# KiCad board SofleKeyboard.kicad_pcb
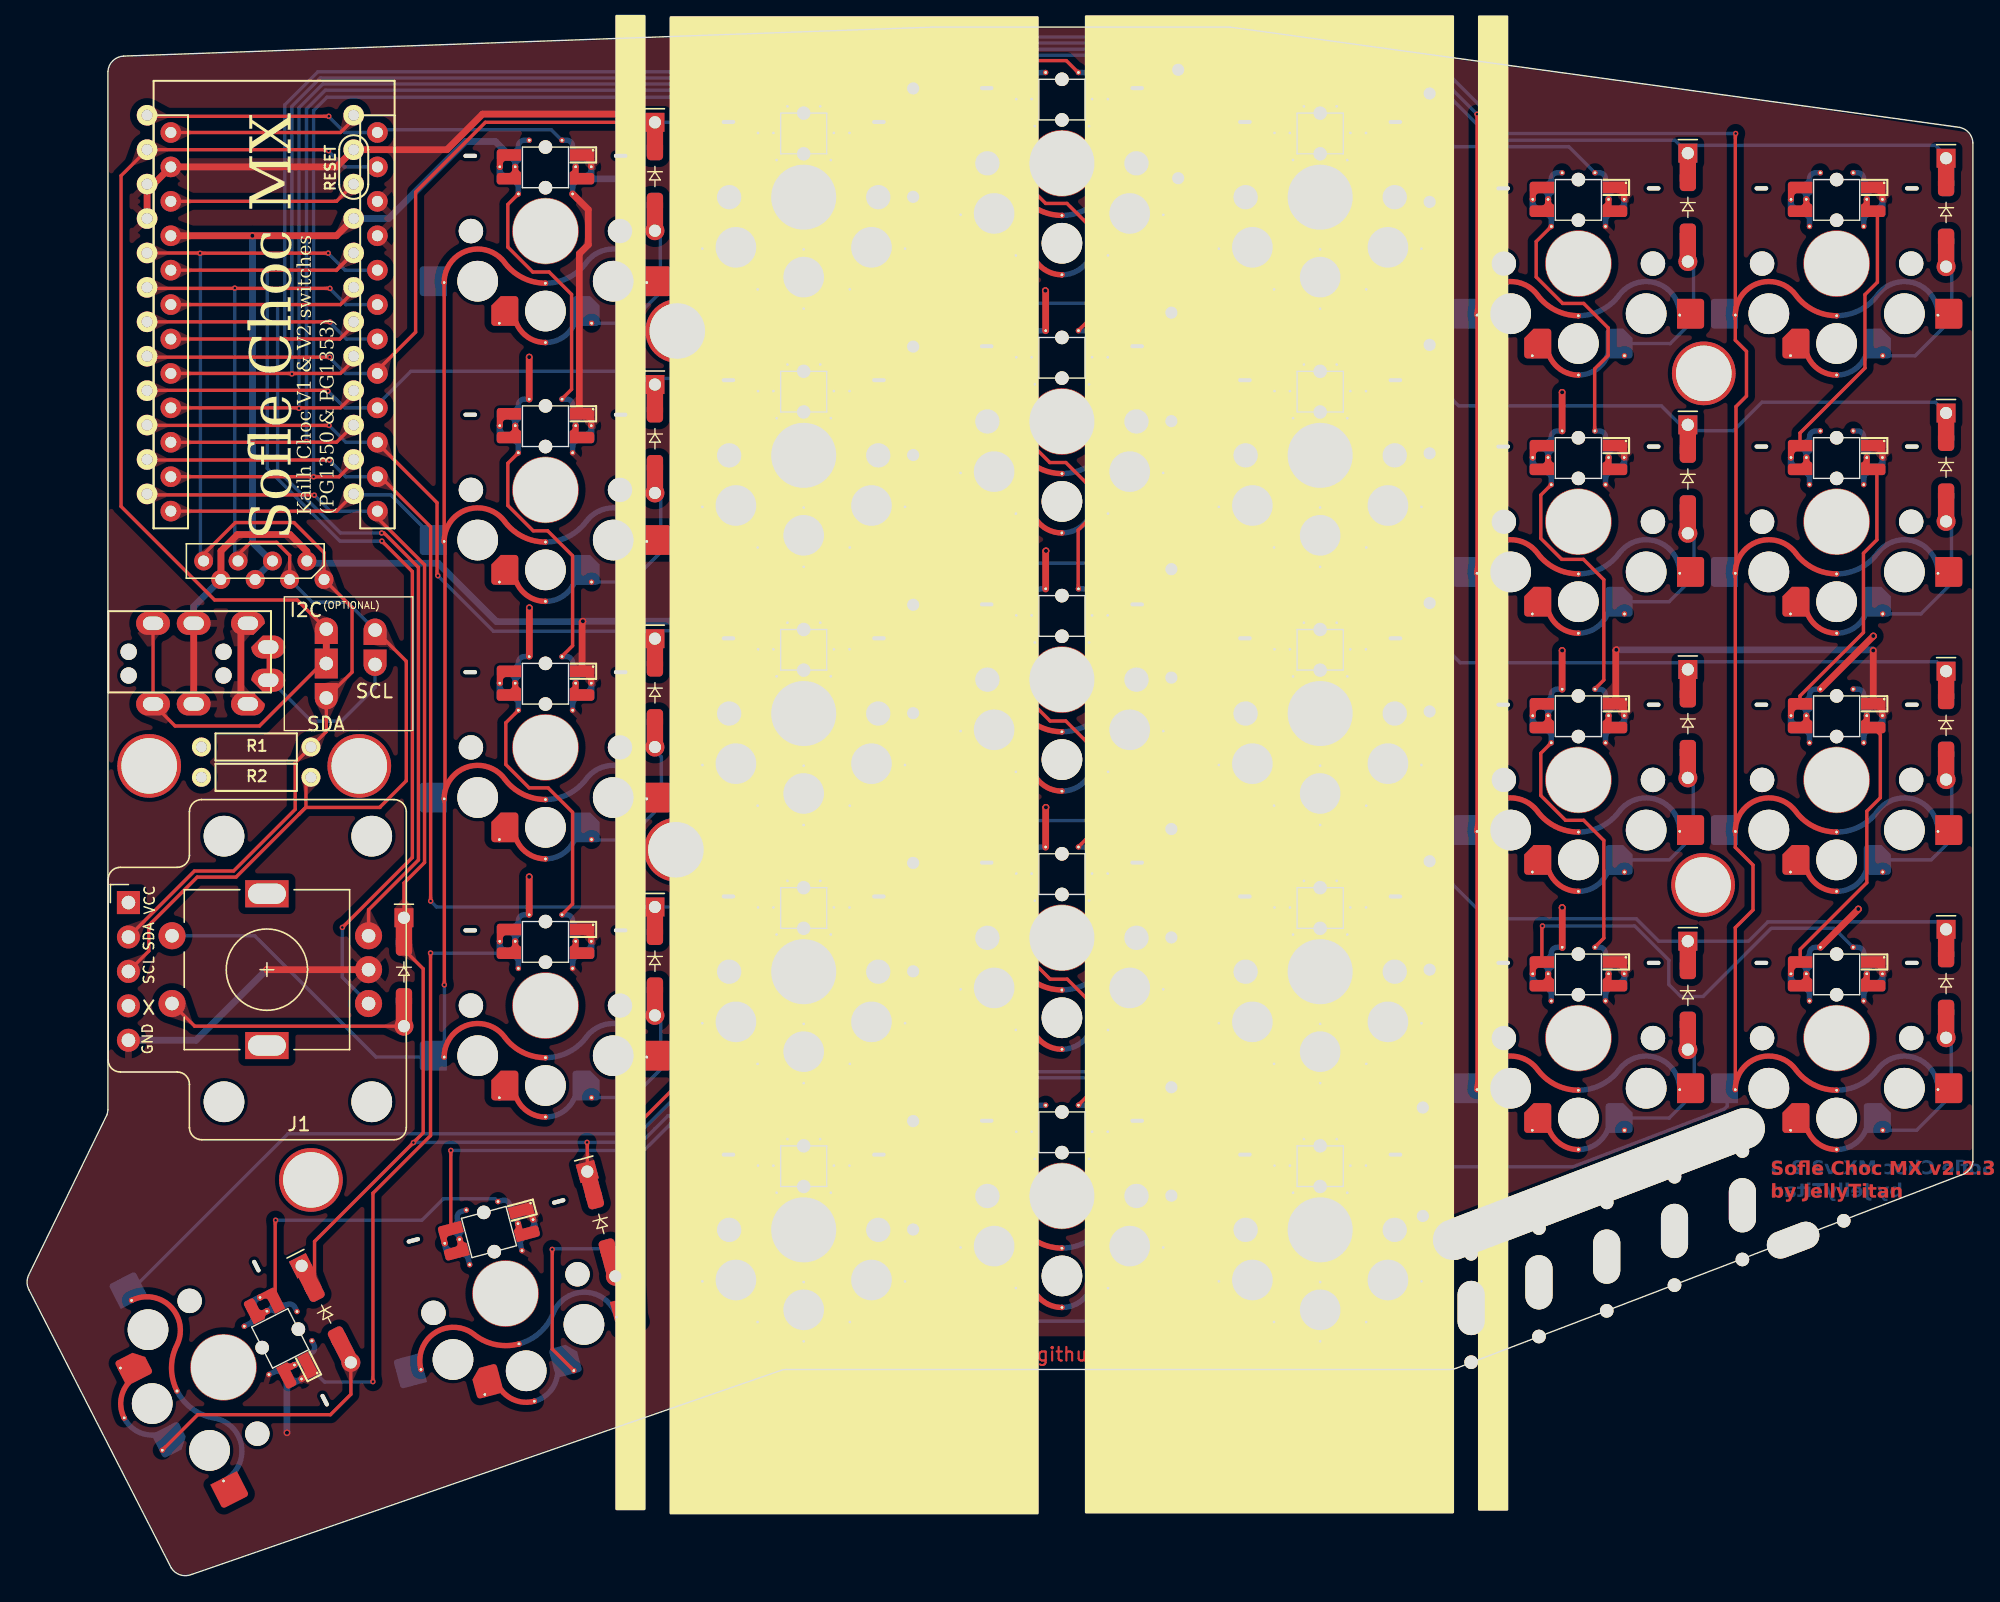
[diagram p0: board, top side]
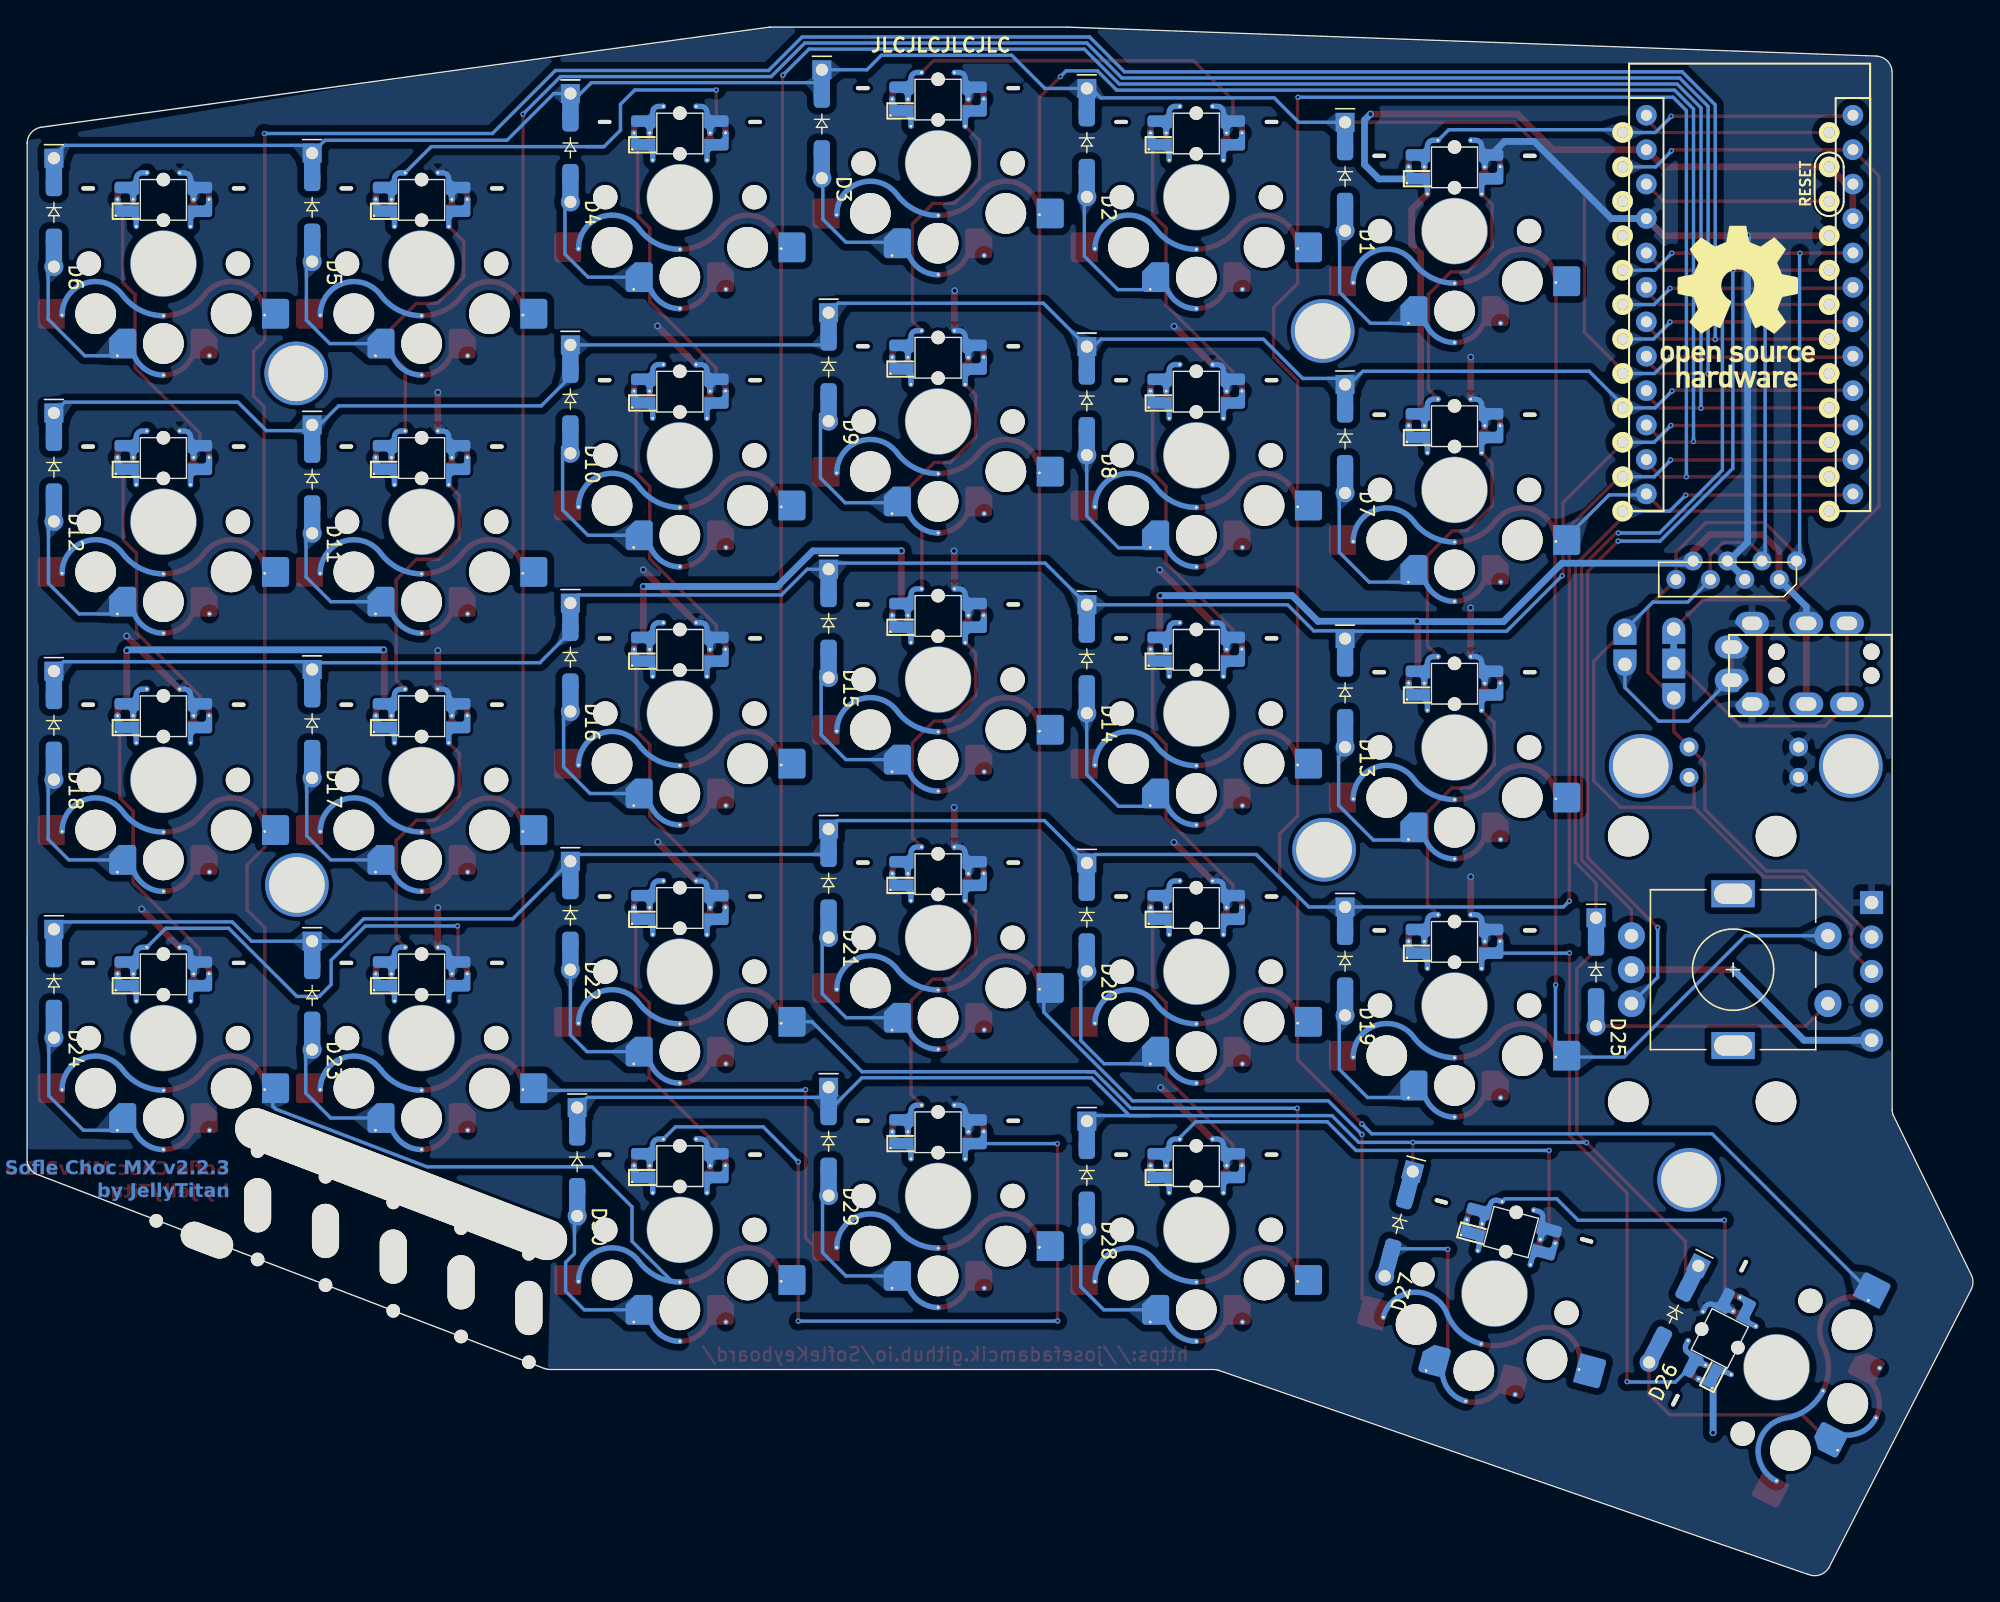
[diagram p1: board, bottom side, seen from below]

Outline 143.54 x 114.21 mm; copper layers: Top, Bottom. Coordinates in mm from the lower left corner of the outline.
Outline path: 0.1,22.1 5.89,33.96 arc(5.94,34.13) 5.96,34.31 5.96,110.92 arc(6.31,111.71) 7.11,112.07 66.79,114.21 88.74,114.21 142.57,106.81 arc(143.26,106.4) 143.54,105.66 143.54,30.48 arc(143.25,29.86) 142.67,29.51 105.4,15.24 arc(105.19,15.18) 104.97,15.16 56.01,15.16 arc(55.82,15.14) 55.64,15.1 12.15,0.04 arc(11.3,0) 10.63,0.52 0.16,21 arc(0,21.54) 0.1,22.1
Stack: Top 0.035mm / dielectric 1.51mm FR4 er 4.5 / Bottom 0.035mm

## Placement (name value [footprint] x y rotation side)
D1  D  [D_SOD-123_DO-35_Hybrid_DoubleSided]  46.32 103.19 270 bottom
D2  D  [D_SOD-123_DO-35_Hybrid_DoubleSided]  65.37 105.69 270 bottom
D3  D  [D_SOD-123_DO-35_Hybrid_DoubleSided]  84.92 107.06 270 bottom
D4  D  [D_SOD-123_DO-35_Hybrid_DoubleSided]  103.47 105.31 270 bottom
D5  D  [D_SOD-123_DO-35_Hybrid_DoubleSided]  122.52 100.91 270 bottom
D6  D  [D_SOD-123_DO-35_Hybrid_DoubleSided]  141.57 100.53 270 bottom
D7  D  [D_SOD-123_DO-35_Hybrid_DoubleSided]  46.32 83.83 270 bottom
D8  D  [D_SOD-123_DO-35_Hybrid_DoubleSided]  65.37 86.63 270 bottom
D9  D  [D_SOD-123_DO-35_Hybrid_DoubleSided]  84.42 89.13 270 bottom
D10  D  [D_SOD-123_DO-35_Hybrid_DoubleSided]  103.47 86.76 270 bottom
D11  D  [D_SOD-123_DO-35_Hybrid_DoubleSided]  122.52 80.86 270 bottom
D12  D  [D_SOD-123_DO-35_Hybrid_DoubleSided]  141.57 81.73 270 bottom
D13  D  [D_SOD-123_DO-35_Hybrid_DoubleSided]  46.32 65.08 270 bottom
D14  D  [D_SOD-123_DO-35_Hybrid_DoubleSided]  65.37 67.58 270 bottom
D15  D  [D_SOD-123_DO-35_Hybrid_DoubleSided]  84.42 70.21 270 bottom
D16  D  [D_SOD-123_DO-35_Hybrid_DoubleSided]  103.47 67.71 270 bottom
D17  D  [D_SOD-123_DO-35_Hybrid_DoubleSided]  122.52 62.81 270 bottom
D18  D  [D_SOD-123_DO-35_Hybrid_DoubleSided]  141.57 62.69 270 bottom
D19  D  [D_SOD-123_DO-35_Hybrid_DoubleSided]  46.32 45.28 270 bottom
D20  D  [D_SOD-123_DO-35_Hybrid_DoubleSided]  65.37 48.53 270 bottom
D21  D  [D_SOD-123_DO-35_Hybrid_DoubleSided]  84.42 51.03 270 bottom
D22  D  [D_SOD-123_DO-35_Hybrid_DoubleSided]  103.47 48.66 270 bottom
D23  D  [D_SOD-123_DO-35_Hybrid_DoubleSided]  122.52 42.76 270 bottom
D24  D  [D_SOD-123_DO-35_Hybrid_DoubleSided]  141.57 43.63 270 bottom
D25  D  [D_SOD-123_DO-35_Hybrid_DoubleSided]  27.8 44.49 270 bottom
D26  D  [D_SOD-123_DO-35_Hybrid_DoubleSided]  22.07 19.24 297 bottom
D27  D  [D_SOD-123_DO-35_Hybrid_DoubleSided]  42.36 25.9 285 bottom
D28  D  [D_SOD-123_DO-35_Hybrid_DoubleSided]  65.37 29.48 270 bottom
D29  D  [D_SOD-123_DO-35_Hybrid_DoubleSided]  84.42 31.98 270 bottom
D30  D  [D_SOD-123_DO-35_Hybrid_DoubleSided]  102.97 30.48 270 bottom
J1  Pimaroni Trackball  [pimoroni_trackball]  7.47 49.61 0 top
J2  4PIN  [MJ-4PP-9_Choc_MX]  5.92 67.24 90 top
J3  OLED  [OLED_4Pin_Choc_MX]  14.29 73.45 0 top
JP1  SCL  [PinHeader_1x02_P2.54mm_jumper]  25.67 67.18 180 top
JP2  SDA  [PinHeader_1x03_P2.54mm_jumper]  22.07 69.79 0 top
R1  4.7k  [R_I2C_bus]  16.9 61.09 0 top
R2  4.7k  [R_I2C_bus]  16.9 58.85 0 top
REF**  -  [DIODE Bender for 8mm SOFLE CHOC MX]  106.53 19.69 0 top
REF**#2  -  [OSHW-Logo_11.4x12mm_SilkScreen]  17.36 93.58 180 bottom
SW1  SW_PUSH_LED  [Choc_MX_Hotswap_SK6812MiniE]  38.24 99.16 180 top
SW2  SW_PUSH_LED  [Choc_MX_Hotswap_SK6812MiniE]  57.29 101.66 180 top
SW3  SW_PUSH_LED  [Choc_MX_Hotswap_SK6812MiniE]  76.34 104.16 180 top
SW4  SW_PUSH_LED  [Choc_MX_Hotswap_SK6812MiniE]  95.39 101.66 180 top
SW5  SW_PUSH_LED  [Choc_MX_Hotswap_SK6812MiniE]  114.44 96.76 180 top
SW6  SW_PUSH_LED  [Choc_MX_Hotswap_SK6812MiniE]  133.49 96.76 180 top
SW7  SW_PUSH_LED  [Choc_MX_Hotswap_SK6812MiniE]  38.24 80.06 180 top
SW8  SW_PUSH_LED  [Choc_MX_Hotswap_SK6812MiniE]  57.29 82.61 180 top
SW9  SW_PUSH_LED  [Choc_MX_Hotswap_SK6812MiniE]  76.34 85.11 180 top
SW10  SW_PUSH_LED  [Choc_MX_Hotswap_SK6812MiniE]  95.39 82.61 180 top
SW11  SW_PUSH_LED  [Choc_MX_Hotswap_SK6812MiniE]  114.44 77.71 180 top
SW12  SW_PUSH_LED  [Choc_MX_Hotswap_SK6812MiniE]  133.49 77.71 180 top
SW13  SW_PUSH_LED  [Choc_MX_Hotswap_SK6812MiniE]  38.24 61.06 180 top
SW14  SW_PUSH_LED  [Choc_MX_Hotswap_SK6812MiniE]  57.29 63.56 180 top
SW15  SW_PUSH_LED  [Choc_MX_Hotswap_SK6812MiniE]  76.34 66.06 180 top
SW16  SW_PUSH_LED  [Choc_MX_Hotswap_SK6812MiniE]  95.39 63.56 180 top
SW17  SW_PUSH_LED  [Choc_MX_Hotswap_SK6812MiniE]  114.44 58.66 180 top
SW18  SW_PUSH_LED  [Choc_MX_Hotswap_SK6812MiniE]  133.49 58.66 180 top
SW19  SW_PUSH_LED  [Choc_MX_Hotswap_SK6812MiniE]  38.24 42.01 180 top
SW20  SW_PUSH_LED  [Choc_MX_Hotswap_SK6812MiniE]  57.29 44.51 180 top
SW21  SW_PUSH_LED  [Choc_MX_Hotswap_SK6812MiniE]  76.34 47.01 180 top
SW22  SW_PUSH_LED  [Choc_MX_Hotswap_SK6812MiniE]  95.39 44.51 180 top
SW23  SW_PUSH_LED  [Choc_MX_Hotswap_SK6812MiniE]  114.44 39.61 180 top
SW24  SW_PUSH_LED  [Choc_MX_Hotswap_SK6812MiniE]  133.49 39.61 180 top
SW25  Rotary_Encoder_Switch  [RotaryEncoder_Alps_EC11E-Switch_Vertical_H20mm-keebio_modified]  17.69 44.66 180 top
SW26  SW_PUSH_LED  [Choc_MX_Hotswap_SK6812MiniE]  14.49 15.32 117 top
SW27  SW_PUSH_LED  [Choc_MX_Hotswap_SK6812MiniE#2]  35.29 20.76 195 top
SW28  SW_PUSH_LED  [Choc_MX_Hotswap_SK6812MiniE]  57.29 25.46 180 top
SW29  SW_PUSH_LED  [Choc_MX_Hotswap_SK6812MiniE]  76.34 27.96 180 top
SW30  SW_PUSH_LED  [Choc_MX_Hotswap_SK6812MiniE]  95.39 25.46 180 top
TH1  HOLE  [HOLE_M2_TH]  9.23 59.42 0 top
TH2  HOLE  [HOLE_M2_TH]  24.73 59.42 0 top
TH3  HOLE  [HOLE_M2_TH]  48.19 91.51 0 top
TH4  HOLE  [HOLE_M2_TH]  123.92 88.38 0 top
TH5  HOLE  [HOLE_M2_TH]  48.09 53.23 0 top
TH6  HOLE  [HOLE_M2_TH]  123.87 50.63 0 top
TH7  HOLE  [HOLE_M2_TH]  21.21 29.37 90 top
U1  -  [ProMicro_Choc_MX]  18.12 92.86 0 top

## Library data of the parts
J1 = -: Description: Generic connector, single row, 01x05, script generated
JP1 = -: Description: Jumper, 2-pole, open
JP2 = -: Description: 3-pole Solder Jumper, pins 1+2 closed/bridged; Field4: 1; Field5: 3

## Footprints (pads in the part's own frame, mm; a bottom-side part is the same pattern mirrored in y, then rotated)
Choc_MX_Hotswap_SK6812MiniE
  oval 1x0.3 hole 1x0.3 unplated: (-5.55,-5.55) (5.55,-5.55)
  round 1.8 hole 1.8 unplated: (-5.5,0) (5.5,0)
  round 3 hole 3 unplated: (-5,3.7) (0,5.9) (5,3.7)
  rrect 1.49x0.84 smd: (-2.855,-3.86) (-2.855,-5.62)
  rrect 1.82x0.84 smd: (-2.69,-5.61) (2.69,-3.865)
  rrect 1.83x0.85 smd: (-2.685,-3.865) (2.685,-5.625)
  rect 1.38x0.84 smd: (-2.47,-3.86) (-2.47,-5.62)
  round 4.9 hole 4.8 unplated: (0,0)
  round 1 hole 1 unplated: (0,-3.2) (0,-6.2)
  rrect 1.82x0.85 smd: (2.69,-3.865) (2.69,-5.615)
  round 0.4 hole 0.2: 1(1.2,-6.7) 2(2,-2.74) 3(-2,-2.74) 4(-1.22,-6.7) 5(-3.4,6.8) 5(0,8.225) 5(3.4,6.8) 6(-7.475,3.8) 6(0,3.85) 6(7.475,3.8)
  round 0.45 hole 0.2: 1(2.234,-4.739) 2(3.368,-4.74) 3(-3.38,-4.74) 4(-2.225,-4.74)
  custom 1.8x1.524 smd: 1(2.7,-3.865)
  custom 2.58x2.385 smd far side: 1(2.7,-5.615) 4(-2.7,-5.615)
  custom 1.8x1.525 smd: 2(2.693,-5.615)
  custom 1.805x2.425 smd far side: 2(2.7,-3.865)
  custom 1.8x1.965 smd far side: 3(-2.71,-3.87)
  custom 1.81x1.362 smd: 3(-2.705,-5.615)
  rect 0.4x0.8 smd far side: 3(-2,-3.14)
  custom 1.81x1.525 smd: 4(-2.7,-3.865)
  rrect 2x2.2 smd far side: 5(-3,5.9) 6(8.275,3.7)
  custom 2.556x1.855 smd: 5(0,8.225)
  custom 2.556x1.855 smd far side: 5(0,8.225)
  rrect 2x2.2 smd: 5(3,5.9) 6(-8.275,3.7)
  custom 7.875x2.92 smd far side: 6(-7.475,3.8)
  custom 7.875x2.92 smd: 6(7.475,3.8)
Choc_MX_Hotswap_SK6812MiniE#2
  oval 1x0.3 hole 1x0.3 unplated: (-5.55,-5.55) (5.55,-5.55)
  round 1.8 hole 1.8 unplated: (-5.5,0) (5.5,0)
  round 3 hole 3 unplated: (-5,3.7) (0,5.9) (5,3.7)
  rrect 1.49x0.84 smd: (-2.855,-3.86) (-2.855,-5.62)
  rrect 1.82x0.84 smd: (-2.69,-5.61) (2.69,-3.865)
  rrect 1.83x0.85 smd: (-2.685,-3.865) (2.685,-5.625)
  rect 1.38x0.84 smd: (-2.47,-3.86) (-2.47,-5.62)
  round 4.9 hole 4.8 unplated: (0,0)
  round 1 hole 1 unplated: (0,-3.2) (0,-6.2)
  rrect 1.82x0.85 smd: (2.69,-3.865) (2.69,-5.615)
  round 0.4 hole 0.2: 1(1.2,-6.7) 2(2,-2.74) 3(-2,-2.74) 4(-1.22,-6.7) 5(-3.4,6.8) 5(0,8.225) 5(3.4,6.8) 6(-7.475,3.8) 6(0,3.85) 6(7.475,3.8)
  round 0.45 hole 0.2: 1(2.234,-4.739) 2(3.368,-4.74) 3(-3.38,-4.74) 4(-2.225,-4.74)
  custom 1.8x1.524 smd: 1(2.7,-3.865)
  custom 2.58x2.385 smd far side: 1(2.7,-5.615) 4(-2.7,-5.615)
  custom 1.8x1.525 smd: 2(2.693,-5.615)
  custom 1.805x2.425 smd far side: 2(2.7,-3.865)
  custom 1.8x1.965 smd far side: 3(-2.71,-3.87)
  custom 1.81x1.362 smd: 3(-2.705,-5.615)
  rect 0.4x0.8 smd far side: 3(-2,-3.14)
  custom 1.81x1.525 smd: 4(-2.7,-3.865)
  rrect 2x2.2 smd far side: 5(-3,5.9) 6(8.275,3.7)
  custom 2.556x1.855 smd: 5(0,8.225)
  custom 2.556x1.855 smd far side: 5(0,8.225)
  rrect 2x2.2 smd: 5(3,5.9) 6(-8.275,3.7)
  custom 7.875x2.92 smd far side: 6(-7.475,3.8)
  custom 7.875x2.92 smd: 6(7.475,3.8)
D_SOD-123_DO-35_Hybrid_DoubleSided
  rect 1.4x1.4 hole 0.9: 1(-4,0)
  rect 1.6x1.2 smd far side: 1(-2.75,0)
  rect 1.6x1.2 smd: 1(-2.7,0)
  rrect 1.5x1.2 smd: 1(-1.95,0)
  rrect 1.4x1.2 smd far side: 1(-1.9,0) 2(1.9,0)
  rrect 1.4x1.2 smd: 2(1.9,0)
  rect 2.12x1.2 smd: 2(2.96,0)
  rect 2.14x1.2 smd far side: 2(2.97,0)
  round 1.4 hole 0.9: 2(4,0)
DIODE Bender for 8mm SOFLE CHOC MX
  round 1 hole 1 unplated: (0,4) (0,-4) (5,5.895) (5,-2.105) (10,7.79) (10,-0.21) (15,9.685) (15,1.685) (20.01,11.58) (20.01,3.58) (27.484,6.434)
  oval 2x4 hole 2x4 unplated: (0,0) (5,1.895) (10,3.79) (15,5.685) (20.01,7.58)
  oval 26x3 hole 26x3 unplated rot 20.9: (9.42,9.14)
  oval 4x2 hole 4x2 unplated rot 20.9: (23.747,5.007)
HOLE_M2_TH
  round 4.7 hole 4.1: (-0.225,0.275)
MJ-4PP-9_Choc_MX
  round 1.2 hole 1.2 unplated: (-0.875,-1.57) (-0.875,-8.57) (0.875,-1.57) (0.875,-8.57)
  rrect 1.7x2.5 hole 1x1.5: 1(-2.975,-10.37) 1(2.975,-10.37) 4(-1.225,-11.87) 4(1.225,-11.87)
  oval 1.7x2.5 hole 1x1.5: 2(-2.975,-6.37) 2(2.975,-6.37) 3(-2.975,-3.37) 3(2.975,-3.37)
OLED_4Pin_Choc_MX
  round 1.397 hole 0.813: 1(0,0) 1(6.355,1.365) 2(2.54,0) 2(3.815,1.365) 3(1.275,1.365) 3(5.08,0) 4(-1.265,1.365) 4(7.62,0)
pimoroni_trackball
  round 3 hole 3 unplated: (7.05,4.9) (7.05,-14.7) (17.95,4.9) (17.95,-14.7)
  rect 1.7x1.7 hole 1: 1(0,0)
  oval 1.7x1.7 hole 1: 2(0,-2.54) 3(0,-5.08) 4(0,-7.62) 5(0,-10.16)
PinHeader_1x02_P2.54mm_jumper
  rrect 1.7x1.95 hole 1: 1(0,0) 2(0,-2.54)
PinHeader_1x03_P2.54mm_jumper
  rrect 1.7x1.95 hole 1: 1(0,0) 3(0,-5.08)
  custom 1.7x2.76 hole 1: 2(0,-2.54)
ProMicro_Choc_MX
  round 1.524 hole 0.813: 1(-9.271,14.844) 1(7.719,13.574) 2(-9.271,12.304) 2(7.719,11.034) 3(-9.271,9.764) 3(7.719,8.494) 4(-9.271,7.224) 4(7.719,5.954) 5(-9.271,4.684) 5(7.719,3.414) 6(-9.271,2.144) 6(7.719,0.874) 7(-9.271,-0.396) 7(7.719,-1.666) 8(-9.271,-2.936) 8(7.719,-4.206) 9(-9.271,-5.476) 9(7.719,-6.746) 10(-9.271,-8.016) 10(7.719,-9.286) 11(-9.271,-10.556) 11(7.719,-11.826) 12(-9.271,-13.096) 12(7.719,-14.366) 13(-7.521,-14.366) 13(5.969,-13.096) 14(-7.521,-11.826) 14(5.969,-10.556) 15(-7.521,-9.286) 15(5.969,-8.016) 16(-7.521,-6.746) 16(5.969,-5.476) 17(-7.521,-4.206) 17(5.969,-2.936) 18(-7.521,-1.666) 18(5.969,-0.396) 19(-7.521,0.874) 19(5.969,2.144) 20(-7.521,3.414) 20(5.969,4.684) 21(-7.521,5.954) 21(5.969,7.224) 22(-7.521,8.494) 22(5.969,9.764) 23(-7.521,11.034) 23(5.969,12.304) 24(-7.521,13.574) 24(5.969,14.844)
R_I2C_bus
  round 1.397 hole 0.813: 1(-4.04,0) 2(4.04,0)
RotaryEncoder_Alps_EC11E-Switch_Vertical_H20mm-keebio_modified
  round 2 hole 1: A(-7.5,2.5) B(-7.5,-2.5) C(-7.5,0) S1(7,-2.5) S2(7,2.5)
  rect 3.2x2 hole 2.8x1.5: MP(0,5.6) MP(0,-5.6)

## Nets
GND: J1.5 J2.2 J3.1 SW1.3 SW2.3 SW3.3 SW4.3 SW5.3 SW6.3 SW7.3 SW8.3 SW9.3 SW10.3 SW11.3 SW12.3 SW13.3 SW14.3 SW15.3 SW16.3 SW17.3 SW18.3 SW19.3 SW20.3 SW21.3 SW22.3 SW23.3 SW24.3 SW25.C SW26.3 SW27.3 SW28.3 SW29.3 SW30.3 U1.3 U1.4 U1.23
VCC: J1.1 J2.1 J3.2 R1.1 R2.1 SW1.1 SW2.1 SW3.1 SW4.1 SW5.1 SW6.1 SW7.1 SW8.1 SW9.1 SW10.1 SW11.1 SW12.1 SW13.1 SW14.1 SW15.1 SW16.1 SW17.1 SW18.1 SW19.1 SW20.1 SW21.1 SW22.1 SW23.1 SW24.1 SW26.1 SW27.1 SW28.1 SW29.1 SW30.1 U1.21
col0: SW6.6 SW12.6 SW18.6 SW24.6 SW30.6 U1.18
col1: SW5.6 SW11.6 SW17.6 SW23.6 SW29.6 U1.17
col2: SW4.6 SW10.6 SW16.6 SW22.6 SW28.6 U1.16
col3: SW3.6 SW9.6 SW15.6 SW21.6 SW27.6 U1.15
col4: SW2.6 SW8.6 SW14.6 SW20.6 SW26.6 U1.14
DATA: JP2.1 U1.2
ENCA: SW25.A U1.20
ENCB: SW25.B U1.19
LED: SW1.4 U1.1
row0: D1.1 D2.1 D3.1 D4.1 D5.1 D6.1 U1.8
row1: D7.1 D8.1 D9.1 D10.1 D11.1 D12.1 U1.9
row2: D13.1 D14.1 D15.1 D16.1 D17.1 D18.1 U1.10
row3: D19.1 D20.1 D21.1 D22.1 D23.1 D24.1 U1.11
row4: D25.1 D26.1 D27.1 D28.1 D29.1 D30.1 U1.12
SCL: J1.3 J3.3 JP1.2 R2.2 U1.6
SDA: J1.2 J3.4 JP2.3 R1.2 U1.5
SW25A: SW1.6 SW7.6 SW13.6 SW19.6 SW25.S1 U1.13
SW25B: D25.2 SW25.S2
Net-(D1-A): D1.2 SW1.5
Net-(D2-A): D2.2 SW2.5
Net-(D3-A): D3.2 SW3.5
Net-(D4-A): D4.2 SW4.5
Net-(D5-A): D5.2 SW5.5
Net-(D6-A): D6.2 SW6.5
Net-(D7-A): D7.2 SW7.5
Net-(D8-A): D8.2 SW8.5
Net-(D9-A): D9.2 SW9.5
Net-(D10-A): D10.2 SW10.5
Net-(D11-A): D11.2 SW11.5
Net-(D12-A): D12.2 SW12.5
Net-(D13-A): D13.2 SW13.5
Net-(D14-A): D14.2 SW14.5
Net-(D15-A): D15.2 SW15.5
Net-(D16-A): D16.2 SW16.5
Net-(D17-A): D17.2 SW17.5
Net-(D18-A): D18.2 SW18.5
Net-(D19-A): D19.2 SW19.5
Net-(D20-A): D20.2 SW20.5
Net-(D21-A): D21.2 SW21.5
Net-(D22-A): D22.2 SW22.5
Net-(D23-A): D23.2 SW23.5
Net-(D24-A): D24.2 SW24.5
Net-(D26-A): D26.2 SW26.5
Net-(D27-A): D27.2 SW27.5
Net-(D28-A): D28.2 SW28.5
Net-(D29-A): D29.2 SW29.5
Net-(D30-A): D30.2 SW30.5
Net-(JP1-A): J2.4 JP1.1
Net-(JP2-C): J2.3 JP2.2
Net-(SW1B-DOUT): SW1.2 SW7.4
Net-(SW2B-DIN): SW2.4 SW8.2
Net-(SW2B-DOUT): SW2.2 SW3.4
Net-(SW3B-DOUT): SW3.2 SW9.4
Net-(SW4B-DOUT): SW4.2 SW5.4
Net-(SW10B-DIN): SW10.4 SW16.2
Net-(SW10B-DOUT): SW4.4 SW10.2
Net-(SW11B-DIN): SW5.2 SW11.4
Net-(SW11B-DOUT): SW11.2 SW17.4
Net-(SW12B-DIN): SW12.4 SW18.2
Net-(SW12B-DOUT): SW6.4 SW12.2
Net-(SW13B-DIN): SW7.2 SW13.4
Net-(SW13B-DOUT): SW13.2 SW19.4
Net-(SW14B-DIN): SW14.4 SW20.2
Net-(SW14B-DOUT): SW8.4 SW14.2
Net-(SW15B-DIN): SW9.2 SW15.4
Net-(SW15B-DOUT): SW15.2 SW21.4
Net-(SW16B-DIN): SW16.4 SW22.2
Net-(SW17B-DOUT): SW17.2 SW23.4
Net-(SW18B-DIN): SW18.4 SW24.2
Net-(SW19B-DOUT): SW19.2 SW26.4
Net-(SW20B-DIN): SW20.4 SW28.2
Net-(SW21B-DOUT): SW21.2 SW29.4
Net-(SW22B-DIN): SW22.4 SW30.2
Net-(SW23B-DOUT): SW23.2 SW24.4
Net-(SW26B-DOUT): SW26.2 SW27.4
Net-(SW27B-DOUT): SW27.2 SW28.4
Net-(SW29B-DOUT): SW29.2 SW30.4

Pads without a net: J1 4; SW6 2; SW25 MP; U1 7 22 24

## Via types
v1: diameter 0.4, hole 0.2, Top to Bottom, 47 vias
v2: diameter 0.5, hole 0.3, Top to Bottom, 28 vias

## Routing (per net, layer and track width the routed paths; a pad name or vN(x,y) marks a point on that pad's centre or on a via; arc(x,y) is an arc through that point)
GND: length 213
  Top w0.5: 117.2,64.27 117.2,68.22 v2(117.24,68.26) ; J3.1 14.3,73.47 14.3,75.55 15.52,76.76 19.4,76.76 20.64,75.52 J3.1 ; SW13.3 40.95,70.31 v2(41,70.37) ; SW25.C 17.69,44.66 v2(17.68,44.67) ; v2(59.96,72.26) 60,72.22 SW14.3 ; SW16.3 98.09,69.18 v2(98.09,72.94) ; SW15.3 79.05,75.55 v2(79.04,75.56) ; 9.33,102.62 U1.23 22.82,103.89 U1.23 30.97,105.16 33.6,107.79 v2(44.44,107.79) ; 136.28,83.41 136.19,83.33 ; SW1.3 41.4,100.74 41.4,98.15 40.74,97.49 40.74,85.88 40.94,85.67 ; 136.19,64.27 v2(136.19,68.21) ; 12.29,70.22 J2.2 ; U1.4 U1.3
  Bottom w0.5: v2(59.96,72.26) 50.21,72.26 48.32,70.37 v2(41,70.37) 40.97,70.34 34.63,70.34 30.32,74.65 20.81,74.65 J3.1 ; J1.5 12.46,39.45 v2(17.68,44.67) ; v2(79.04,75.56) 85.57,75.56 88.19,72.94 v2(98.09,72.94) ; v2(117.24,68.26) 136.14,68.26 v2(136.19,68.21) ; v2(19.17,10.49) 19.16,10.5 SW26.3 ; 12.29,70.22 12.29,71.45 J3.1 ; 40.94,103.03 40.96,103.01 43.82,103.01 44.88,104.07 44.88,107.35 v2(44.44,107.79)
VCC: length 133.4
  Top w0.5: SW8.1 56.1,89.31 v2(58.93,92.14) ; SW24.1 135.09,49.11 v2(135.09,49.13) ; 15.99,70.21 15.52,69.74 ; v2(75.16,56.63) 75.14,56.61 75.14,53.7 ; SW7.1 v2(37.04,89.86) ; 37.04,48.75 v2(37.04,51.51) ; SW10.1 v2(97.04,92.16) ; 15.52,64.73 15.99,64.26 ; v2(59.92,35.97) 59.9,35.97 SW28.1 ; SW22.1 97.02,54.03 v2(97.02,54.08) ; SW20.1 v2(58.94,54.06) ; 10.37,98.81 v2(16.62,98.81) 22.82,98.81 U1.21 ; SW9.1 75.14,94.73 v2(75.12,94.76) ; SW18.1 136.2,69.27 v2(136.2,69.28) ; v2(75.17,75.56) 75.14,75.53 75.14,72.75 ; 16.29,70.22 15.77,69.69 15.77,64.78 J2.1 ; SW14.1 v2(59.99,74.16) ; SW11.1 v2(113.24,87.26) ; 113.24,65.35 v2(113.24,68.21) ; SW16.1 v2(98.1,74.16) ; v2(113.24,49.23) 113.25,49.22 113.25,46.29 ; 37.05,67.8 v2(37.05,71.36)
  Bottom w0.5: 17.87,74.49 17.87,74.95 16.62,76.19 v2(16.62,98.81) ; J3.2 16.83,73.54 J3.2 16.83,73.91 ; SW1.1 34.55,105.77 32.35,105.77 26.66,100.08 U1.21 ; 15.6,69.82 15.99,70.21 ; 15.99,64.26 15.6,64.65
col0: length 253.7
  Top w0.25: 24.36,92.49 23.06,91.19 23.06,91.19 19.13,91.19 ; v1(19.01,91.16) 19.04,91.19 19.13,91.19 ; 19.13,91.19 10.37,91.19 ; 126.02,35.91 126.02,47.76 127.32,49.06 127.32,52.38 126.02,53.69 126.02,73.91 126.07,73.96 126.07,86.21 126.84,86.98 126.84,90.28 126.02,91.11 126.02,106.33 v1(126.04,106.36)
  Bottom w0.25: 95.67,21.61 SW30.6 95.92,21.61 98.92,24.61 98.92,27.16 101.87,30.11 114.03,30.11 125.21,34.38 125.42,34.58 125.42,35.86 ; v1(19.01,91.16) 19.01,108.47 21.44,110.91 62.59,110.91 65.16,113.48 86.36,113.48 88.84,111.01 104.57,111.01 109.22,106.36 v1(126.04,106.36)
col1: length 230.7
  Top w0.25: 19.64,88.65 19.57,88.65 v1(19.53,88.62) ; 19.64,88.65 23.11,88.65 24.31,89.85 ; 19.64,88.65 10.37,88.65 ; SW23.6 SW17.6 SW11.6 SW5.6 v1(106.97,107.78) ; v1(86.12,35.81) 86.12,24.86 85.52,24.26 SW29.6
  Bottom w0.25: v1(19.53,88.62) 19.53,108.36 21.63,110.46 62.79,110.46 65.36,113.03 86.18,113.03 88.65,110.56 104.19,110.56 v1(106.97,107.78) ; v1(86.12,35.81) 86.17,35.75 106.01,35.75 SW23.6
col2: length 230.4
  Top w0.25: v1(20.06,86.08) 20.09,86.11 20.2,86.11 ; 24.31,87.31 23.11,86.11 20.2,86.11 ; SW28.6 49.82,34.27 ; 49.82,34.27 49.82,34.27 ; 49.82,34.27 49.85,34.3 v1(49.85,34.43) ; 20.2,86.11 10.37,86.11 ; SW22.6 SW16.6 SW10.6 SW4.6 87.82,97.96 87.82,110.63 v1(87.79,110.66)
  Bottom w0.25: v1(20.06,86.08) 20.06,108.25 21.82,110.01 62.98,110.01 65.55,112.58 85.87,112.58 v1(87.79,110.66) ; v1(49.85,34.43) 62.11,34.43 64.81,37.13 65.32,37.13 ; 65.32,37.13 81.95,37.13 85.63,40.81 87.32,40.81 ; 65.32,37.13 64.94,37.13
col3: length 196.9
  Top w0.25: SW21.6 SW15.6 SW9.6 SW3.6 68.87,109.01 v1(67.32,110.56) ; 43.88,19.23 45.06,20.42 v1(45.06,32.49) ; 10.37,83.57 20.55,83.57 v1(20.61,83.63) 20.66,83.58 22.83,83.58 U1.15
  Bottom w0.25: 68.54,42.54 68.54,41.52 62,34.98 47.55,34.98 v1(45.06,32.49) ; v1(67.32,110.56) 66.89,110.98 64.59,110.98 63.16,109.56 22,109.56 20.61,108.17 v1(20.61,83.63)
col4: length 193.2
  Top w0.25: 49.82,40.81 49.82,50.11 51.14,51.44 51.14,54.69 49.82,56.01 49.82,88.1 51.59,89.87 51.59,93.52 49.82,95.3 SW2.6 49.82,109.01 v1(49.79,109.03) ; 24.26,82.28 23.01,81.03 v1(21.13,81.03) 21.13,81.03 U1.14 ; SW20.6 49.82,38.02 v1(45.08,33.28)
  Bottom w0.25: v1(21.13,81.03) 21.13,108.05 22.12,109.03 v1(49.79,109.03) ; 7.52,20.83 19.24,32.55 44.35,32.55 v1(45.08,33.28)
DATA: length 63.3
  Top w0.25: JP2.1 19.92,71.94 13.83,71.94 6.93,78.84 6.93,103.24 U1.2 22.16,105.16 v1(22.24,105.09)
  Bottom w0.25: 25.61,103.89 23.4,103.89 22.2,105.09
ENCA: length 79.3
  Top w0.25: 10.37,96.27 22.82,96.27 U1.20 ; v1(23.26,47.77) 28.42,52.94 28.42,74.03 v1(26.17,76.28) ; 24.02,97.47 22.8,96.25
  Bottom w0.25: v1(17.71,96.27) 17.71,81.65 23.08,76.28 v1(26.17,76.28) ; v1(23.26,47.77) 23.26,44.09 SW25.A
ENCB: length 68.7
  Top w0.25: 10.37,93.73 23.11,93.73 24.31,94.93 ; SW25.B 25.19,49.07 28.87,52.75 28.87,74.34 26.33,76.88 v1(26.16,76.88)
  Bottom w0.25: v1(26.16,76.88) 23.11,76.88 18.48,81.52 v1(18.48,93.73)
LED: length 30.8
  Top w0.25: 9.07,107.63 22.22,107.63
  Bottom w0.25: 25.96,106.64 38.66,106.64 39.44,105.86 ; 25.61,106.43 23.42,106.43 22.22,107.63
  vias: v1(22.26,107.63)
row0: length 152.9
  Top w0.25: D1.1 33.81,107.19 28.66,102.04 28.66,91.71 25.61,88.65 ; 9.07,89.85 22.28,89.85
  Bottom w0.25: 25.66,88.65 23.48,88.65 22.28,89.85 ; 103.47,108.56 101.92,110.11 85.22,110.11 D3.1 84.92,108.71 ; D1.1 49.74,107.19 51.54,108.99 64.34,108.99 65.2,109.85 ; D4.1 104.69,109.31 108.14,105.86 121.57,105.86 121.94,105.48 140.78,105.48 141.52,104.74 ; D3.1 81.59,111.06 80.52,112.13 70.91,112.13 68.46,109.69 D2.1
  vias: v1(22.32,89.85)
row1: length 139.8
  Top w0.25: v1(22.2,87.35) 22.14,87.41 9.12,87.41
  Bottom w0.25: v1(22.2,87.35) 23.44,86.11 25.66,86.11 ; 103.47,88.41 105.62,86.26 120.57,86.26 122.39,84.44 125.89,84.44 127.99,86.53 140.77,86.53 D12.1 ; 84.42,90.78 84.44,90.76 D10.1 ; 65.12,90.39 64.33,91.19 52.34,91.19 49.44,88.28 46.77,88.28 ; 46.15,87.67 45.01,88.81 28.3,88.81 25.61,86.11 ; D8.1 68.57,93.83 83.72,93.83 D9.1
row2: length 147
  Top w0.25: v1(30.3,73.73) 30.24,73.79 30.24,79.12 25.78,83.57 ; 9.12,84.82 22.27,84.82
  Bottom w0.25: v1(30.3,73.73) 34.4,69.63 45.77,69.63 D13.1 46.89,69.66 48.63,69.66 50.56,71.58 D14.1 68.44,74.66 83.97,74.66 D15.1 85.99,74.21 87.89,72.31 102.87,72.31 D16.1 ; 22.27,84.82 23.52,83.57 25.61,83.57 ; 103.47,69.36 103.67,69.36 105.72,67.31 122.02,67.31 D17.1 123.09,67.38 140.87,67.38 D18.1
  vias: v1(22.28,84.82)
row3: length 170.3
  Top w0.25: 26.07,81.03 29.77,77.33 v1(29.77,49.72) ; 9.11,82.27 22.27,82.27
  Bottom w0.25: v1(29.77,49.72) 30.21,49.28 D19.1 48.99,49.28 52.87,53.16 64.74,53.16 D20.1 68.49,55.66 83.79,55.66 D21.1 D21.1 85.04,53.16 102.97,53.16 D22.1 107.72,48.41 118.72,48.41 120.37,46.76 D23.1 126.99,46.76 128.42,48.19 141.02,48.19 D24.1 ; 22.27,82.27 23.51,81.03 25.66,81.03
  vias: v1(22.3,82.27)
row4: length 161.9
  Top w0.25: D25.1 27.8,51.05 29.32,52.57 29.32,74.53 25.95,77.9 25.84,77.9 ; v1(21.19,79.67) 21.17,79.69 9.07,79.69 ; D27.1 41.33,31.9 v1(41.31,31.92) ; D26.1 21.21,24.6 v1(28.5,31.9) 29.22,32.62 29.22,44.72 27.8,46.14
  Bottom w0.25: 60.68,33.89 62.21,33.89 65,36.68 81.96,36.68 83.91,34.73 D29.1 84.92,35.23 102.22,35.23 D30.1 ; 64.96,33.89 47.29,33.89 45.31,31.92 28.52,31.92 v1(28.5,31.9) ; v1(21.19,79.67) 22.37,78.49 25.61,78.49
SCL: length 94.3
  Top w0.25: 20.07,56.14 20.57,56.64 20.57,58.48 R2.2 ; 20.07,56.14 15.42,51.49 12.55,51.49 8.98,47.92 8.98,46.04 J1.3 ; 20.07,56.14 20.56,56.63 26.02,56.63 26.02,56.64 27.97,58.59 27.97,67.42 JP1.2 ; 15.33,74.95 15.33,75.02 16.49,76.19 18.41,76.19 19.37,75.23 19.37,73.91 19.14,73.67 ; 9.07,94.93 22.32,94.93
  Bottom w0.25: U1.6 23.52,93.73 22.32,94.93 ; 15.33,74.95 15.33,94.94 v1(15.32,94.95) ; J3.3 21.04,71.78 23.61,71.78 JP1.2
  vias: v1(22.34,94.93)
SDA: length 89.2
  Top w0.25: U1.5 12.68,97.54 12.76,97.46 12.77,97.47 ; 12.79,74.81 12.79,75.08 15.36,77.65 19.69,77.65 21.91,75.44 J3.4 23.97,71.38 23.97,66.61 JP2.3 22.07,62.22 R1.2 19.78,59.93 19.78,56.49 15.23,51.94 12.34,51.94 J1.2 ; 22.2,97.53 12.77,97.53
  Bottom w0.25: U1.5 23.46,96.27 22.2,97.53 ; 12.79,74.95 12.79,97.5 v1(12.76,97.52)
  vias: v1(22.22,97.53)
SW25A: length 102.7
  Top w0.25: SW13.6 30.83,57.33 30.83,76.19 SW7.6 SW1.6 ; U1.13 22.82,78.49 U1.13 ; v1(30.78,43.54) 30.78,57.24
  Bottom w0.25: SW25.S1 16.79,47.16 25.74,38.21 SW19.6 30.77,39.38 30.79,39.41 ; 30.17,76.36 26.84,79.69 24.31,79.69 ; v1(30.78,43.54) 30.79,43.53 30.79,39.41 ; 30.79,39.41 30.79,38.94
SW25B: length 17.8
  Top w0.25: SW25.S2 12.36,40.49 D25.2
Net-(D1-A): length 10.7
  Bottom w0.25: SW1.5 44.44,92.36 46.72,94.63 46.72,98.78 46.34,99.16
Net-(D2-A): length 9.8
  Bottom w0.25: 65.55,101.26 65.55,97.31 63.08,94.84 60.75,94.84
Net-(D3-A): length 10.9
  Bottom w0.25: 84.84,104.74 84.84,100.03 83.14,98.33 79.34,98.33
Net-(D4-A): length 11.2
  Bottom w0.25: SW4.5 102.17,95.76 103.87,97.46 103.87,102.44
Net-(D5-A): length 10.7
  Bottom w0.25: D5.2 122.94,96.48 122.94,92.58 121.22,90.86 SW5.5
Net-(D6-A): length 10.5
  Bottom w0.25: 141.57,96.78 141.99,96.36 141.99,92.66 139.29,89.96 SW6.5
Net-(D7-A): length 10.6
  Bottom w0.25: SW7.5 44.54,73.26 46.74,75.46 46.74,79.41 D7.2
Net-(D8-A): length 9.9
  Bottom w0.25: 60.7,75.78 63.03,75.78 65.37,78.13 65.37,82.36
Net-(D9-A): length 11.1
  Bottom w0.25: 85.02,85.64 85.02,80.94 83.19,79.11 79.39,79.11
Net-(D10-A): length 11.9
  Bottom w0.25: SW10.5 102.17,76.71 104.04,78.58 104.04,83.22 D10.2
Net-(D11-A): length 9.7
  Bottom w0.25: SW11.5 121.14,71.81 122.97,73.63 122.97,76.41 D11.2
Net-(D12-A): length 10.7
  Bottom w0.25: D12.2 141.97,77.33 141.97,73.16 139.72,70.91 SW12.5
Net-(D13-A): length 10.4
  Bottom w0.25: 41.68,54.22 44.23,54.22 46.79,56.78 46.79,60.36 46.35,60.8
Net-(D14-A): length 9.9
  Bottom w0.25: 60.7,56.72 63.03,56.72 65.37,59.06 65.37,63.29
Net-(D15-A): length 11.9
  Bottom w0.25: D15.2 84.97,66.69 84.97,61.98 83.14,60.16 SW15.5
Net-(D16-A): length 10.7
  Bottom w0.25: D16.2 103.97,63.21 103.97,59.61 102.02,57.66 SW16.5
Net-(D17-A): length 10.7
  Bottom w0.25: SW17.5 121.14,52.76 122.92,54.53 122.92,58.41 D17.2
Net-(D18-A): length 10.7
  Bottom w0.25: SW18.5 140.47,52.76 141.99,54.28 141.99,58.26 141.59,58.66
Net-(D19-A): length 10.6
  Bottom w0.25: 46.34,41.8 46.74,41.4 46.74,37.31 44.66,35.22 41.67,35.22
Net-(D20-A): length 10.8
  Bottom w0.25: 65.41,44.29 65.82,43.88 65.82,39.44 64.1,37.72 60.74,37.72
Net-(D21-A): length 11.7
  Bottom w0.25: SW21.5 83.12,41.11 84.89,42.88 84.89,47.59 D21.2
Net-(D22-A): length 10.4
  Bottom w0.25: SW22.5 102.24,38.61 103.47,39.83 D22.2
Net-(D23-A): length 9.7
  Bottom w0.25: SW23.5 121.14,33.71 122.99,35.56 122.99,38.28 D23.2
Net-(D24-A): length 10.5
  Bottom w0.25: 141.59,39.61 141.94,39.26 141.94,35.36 139.39,32.81 SW24.5
Net-(D26-A): length 18
  Top w0.25: D26.2 23.88,13.32 22.38,11.82 12.59,11.82 SW26.5
Net-(D27-A): length 13.7
  Top w0.25: v1(38.74,24.02) 38.74,16.67 SW27.5
  Bottom w0.25: D27.2 38.79,24.06 v1(38.74,24.02)
Net-(D28-A): length 10.6
  Bottom w0.25: SW28.5 64.12,19.56 65.82,21.26 65.82,25.03 D28.2
Net-(D29-A): length 11.7
  Bottom w0.25: SW29.5 83.14,22.06 84.87,23.78 84.87,28.56 D29.2
Net-(D30-A): length 11.9
  Bottom w0.25: D30.2 103.16,26.29 103.16,23.71 103.82,23.06 103.82,20.94 102.44,19.56 SW30.5
Net-(JP1-A): length 14.6
  Top w0.25: J2.4 J2.4
  Bottom w0.25: 17.49,66.01 17.96,66.01 20.97,63 23.19,63 25.67,65.48 JP1.1
Net-(JP2-C): length 21.6
  Top w0.25: JP2.2 21.75,67.25 17.14,62.64 10.92,62.64 9.3,64.26 8.99,64.26 ; 9.29,70.22 J2.3
Net-(SW1B-DOUT): length 18.4
  Top w0.25: 39.44,86.76 40.17,87.49 40.17,94.48 38.51,96.14 37.3,96.14 35.47,97.97 35.47,101.12 SW1.2
Net-(SW2B-DIN): length 20
  Top w0.25: 59.99,105.53 60.52,105.01 60.52,100.37 59.52,99.37 59.52,93.7 54.59,88.78 54.59,88.23
Net-(SW2B-DOUT): length 26.1
  Top w0.25: 77.54,110.86 76.67,111.73 57.5,111.73 54.59,108.83 54.59,107.28
Net-(SW3B-DOUT): length 18.8
  Top w0.25: 77.54,91.81 78.23,92.5 78.23,99.68 76.71,101.2 75.14,101.2 73.28,103.06 73.28,105.84 SW3.2
Net-(SW4B-DOUT): length 30.1
  Top w0.25: v1(92.7,109.57) 92.7,109.57 92.7,107.28
  Bottom w0.25: 102.23,105.39 100.98,105.39 99.77,106.6 99.77,108.51 98.71,109.57 v1(92.7,109.57) ; 102.23,105.39 113.73,105.39 SW5.4 ; 102.23,105.39 101.08,105.39
Net-(SW10B-DIN): length 20
  Top w0.25: 92.69,69.19 92.69,70.05 97.62,74.97 97.62,80.32 98.62,81.32 98.62,85.96 98.09,86.48
Net-(SW10B-DOUT): length 19.9
  Top w0.25: 92.72,88.23 92.72,89.06 97.62,93.95 97.62,99.37 98.5,100.25 98.5,105.12 98.09,105.53
Net-(SW11B-DIN): length 19.1
  Top w0.25: 115.64,84.41 115.64,88.99 116.64,89.99 116.64,92.01 114.83,93.82 113.28,93.82 111.33,95.77 111.33,98.39 SW5.2
Net-(SW11B-DOUT): length 18.6
  Top w0.25: SW11.2 111.67,79.67 111.67,76.48 113.22,74.94 114.82,74.94 116.32,73.44 116.32,66.03 115.64,65.36
Net-(SW12B-DIN): length 19.8
  Top w0.25: 130.79,64.28 130.79,64.86 135.47,69.54 135.47,75.39 136.46,76.38 136.46,81.31 136.19,81.58
Net-(SW12B-DOUT): length 19.8
  Top w0.25: 130.79,83.33 130.79,84.26 135.58,89.05 135.58,94.47 136.5,95.39 136.5,100.32 136.19,100.63
Net-(SW13B-DIN): length 18.3
  Top w0.25: SW7.2 35.47,82.02 35.47,78.91 37.34,77.04 38.4,77.04 40.24,75.2 40.24,68.56 39.44,67.76
Net-(SW13B-DOUT): length 18.7
  Top w0.25: 39.44,48.71 40.24,49.51 40.24,56.27 38.44,58.07 37.04,58.07 35.31,59.8 35.31,62.87 SW13.2
Net-(SW14B-DIN): length 20
  Top w0.25: SW14.4 60.52,66.9 60.52,62.26 59.52,61.26 59.52,55.83 54.59,50.91 54.59,50.12
Net-(SW14B-DOUT): length 20
  Top w0.25: 59.99,86.48 60.52,85.96 60.52,81.32 59.52,80.32 59.52,74.67 54.59,69.75 54.59,69.19
Net-(SW15B-DIN): length 18.5
  Top w0.25: 77.54,72.76 77.54,77.09 78.47,78.02 78.47,80.24 76.63,82.08 75.45,82.08 73.57,83.96 73.57,87.07 SW9.2
Net-(SW15B-DOUT): length 18.3
  Top w0.25: SW15.2 73.57,68.02 73.57,64.91 75.47,63.01 76.62,63.01 78.23,61.4 78.23,54.4 77.54,53.71
Net-(SW16B-DIN): length 20
  Top w0.25: 92.69,50.13 92.69,51.06 97.62,55.98 97.62,61.27 98.62,62.27 98.62,66.91 98.09,67.44
Net-(SW17B-DOUT): length 18.4
  Top w0.25: 115.64,46.31 116.32,46.98 116.32,54.19 114.83,55.68 113.5,55.68 111.67,57.51 111.67,60.62 SW17.2
Net-(SW18B-DIN): length 20
  Top w0.25: SW18.4 136.72,62 136.72,57.34 135.72,56.34 135.72,51.08 130.81,46.16 130.81,45.22
Net-(SW19B-DOUT): length 44.5
  Top w0.25: v1(29.76,45.89) 29.76,32.41 25.51,28.16 v1(25.51,14.26)
  Bottom w0.25: 35.54,45.88 29.78,45.88 v1(29.76,45.89) ; SW26.4 21.95,14.23 25.48,14.23 v1(25.51,14.26)
Net-(SW20B-DIN): length 20
  Top w0.25: 54.59,31.08 54.59,31.74 59.52,36.66 59.52,42.22 60.52,43.22 60.52,47.86 59.99,48.38
Net-(SW21B-DOUT): length 18.5
  Top w0.25: 77.54,34.66 78.34,35.46 78.34,42.35 76.73,43.96 75.47,43.96 73.57,45.86 73.57,48.97 SW21.2
Net-(SW22B-DIN): length 20
  Top w0.25: 92.72,31.06 92.72,31.77 97.64,36.69 97.64,42.19 98.64,43.19 98.64,47.83 98.12,48.36
Net-(SW23B-DOUT): length 31.5
  Top w0.25: v1(111.79,47.89) 111.75,47.84 SW23.2
  Bottom w0.25: v1(111.79,47.89) 118.59,47.89 121.12,45.36 121.12,43.56 121.99,42.69 123.64,42.69 128.67,47.71 133.31,47.71 SW24.4
Net-(SW26B-DOUT): length 23.1
  Top w0.25: v1(18.33,26.17) 18.3,26.14 18.3,20.3 SW26.2
  Bottom w0.25: SW27.4 34.53,27.75 30.7,27.75 29.12,26.17 v1(18.33,26.17)
Net-(SW27B-DOUT): length 34.5
  Top w0.25: 31.23,25.48 31.26,25.52 v1(31.26,31.32)
  Bottom w0.25: 58.49,32.16 58.49,32.28 57.33,33.44 ; 57.27,33.44 47.63,33.44 45.51,31.32 v1(31.26,31.32)
Net-(SW29B-DOUT): length 61.5
  Top w0.25: v1(67.54,31.82) 67.52,31.8 v1(67.52,18.74) ; v1(86.65,30.47) v1(86.65,18.73)
  Bottom w0.25: v1(67.54,31.82) 67.55,31.83 SW29.2 ; v1(86.65,30.47) 89.24,33.06 95.71,33.06 SW30.4 ; v1(86.65,18.73) 67.53,18.73 v1(67.52,18.74)
unconnected-(U1-D4(PD4)-Pad7): length 17.6
  Top w0.25: v1(22.35,92.45) 22.34,92.46 U1.7
  Bottom w0.25: 22.29,92.44 22.34,92.39 22.36,92.39 23.56,91.19 U1.7
unconnected-(U1-RAW-Pad24): length 14.4
  Top w0.25: 10.37,106.43 23.11,106.43 24.31,107.63
unconnected-(U1-RST-Pad22): length 14.2
  Top w0.25: U1.22 22.82,101.35 10.37,101.35

## Copper pours and planes (outline as drawn; the poured copper is in the pictures)
GND on Top: -1.36,21.96 10.58,-0.97 55.69,14.21 74.94,14.11 105.14,14.31 143.59,27.66 143.69,106.36 89.39,114.86 5.14,112.56 5.49,34.16
VCC on Bottom: -1.46,21.91 10.52,-0.9 55.79,14.31 105.14,13.86 144.29,27.46 143.49,105.86 89.19,114.96 5.29,112.26 5.64,34.51

Small or netless copper shapes (teardrops, artwork), in the pictures only: 180 on Top, 199 on Bottom

## Text on the board
Bottom: Sofle Choc MX v2.2.3 / by JellyTitan
B.Silkscreen: RESET | JLCJLCJLCJLC
User.Eco1: s26 | s27 | s1 | s7 | s13 | s19 | s2 | s14 | s20 | s28 | s8 | s21 | s3 | s15 | s9 | s29 | s16 | s22 | s30 | s4 | s10 | s11 | s5 | s17 | s23 | s12 | s6 | s18 | s24
Top: https://josefadamcik.github.io/SofleKeyboard/ | Sofle Choc MX v2.2.3 / by JellyTitan
F.Silkscreen: (OPTIONAL) | RESET | I2C | Kailh Choc V1 & V2 switches / (PG1350 & PG1353) | Sofle Choc MX
